# Altium PCB PCB1.PcbDoc
Units mil, origin at the board's own origin, x right, y up, seen from the top; angles counter-clockwise.
Board outline 6000 x 4000 mil, 2 copper layers (Top Layer, Bottom Layer); 67 components, 52 nets, 220 pads, 0 vias.
Unrouted connection lines stored in the file: 134.
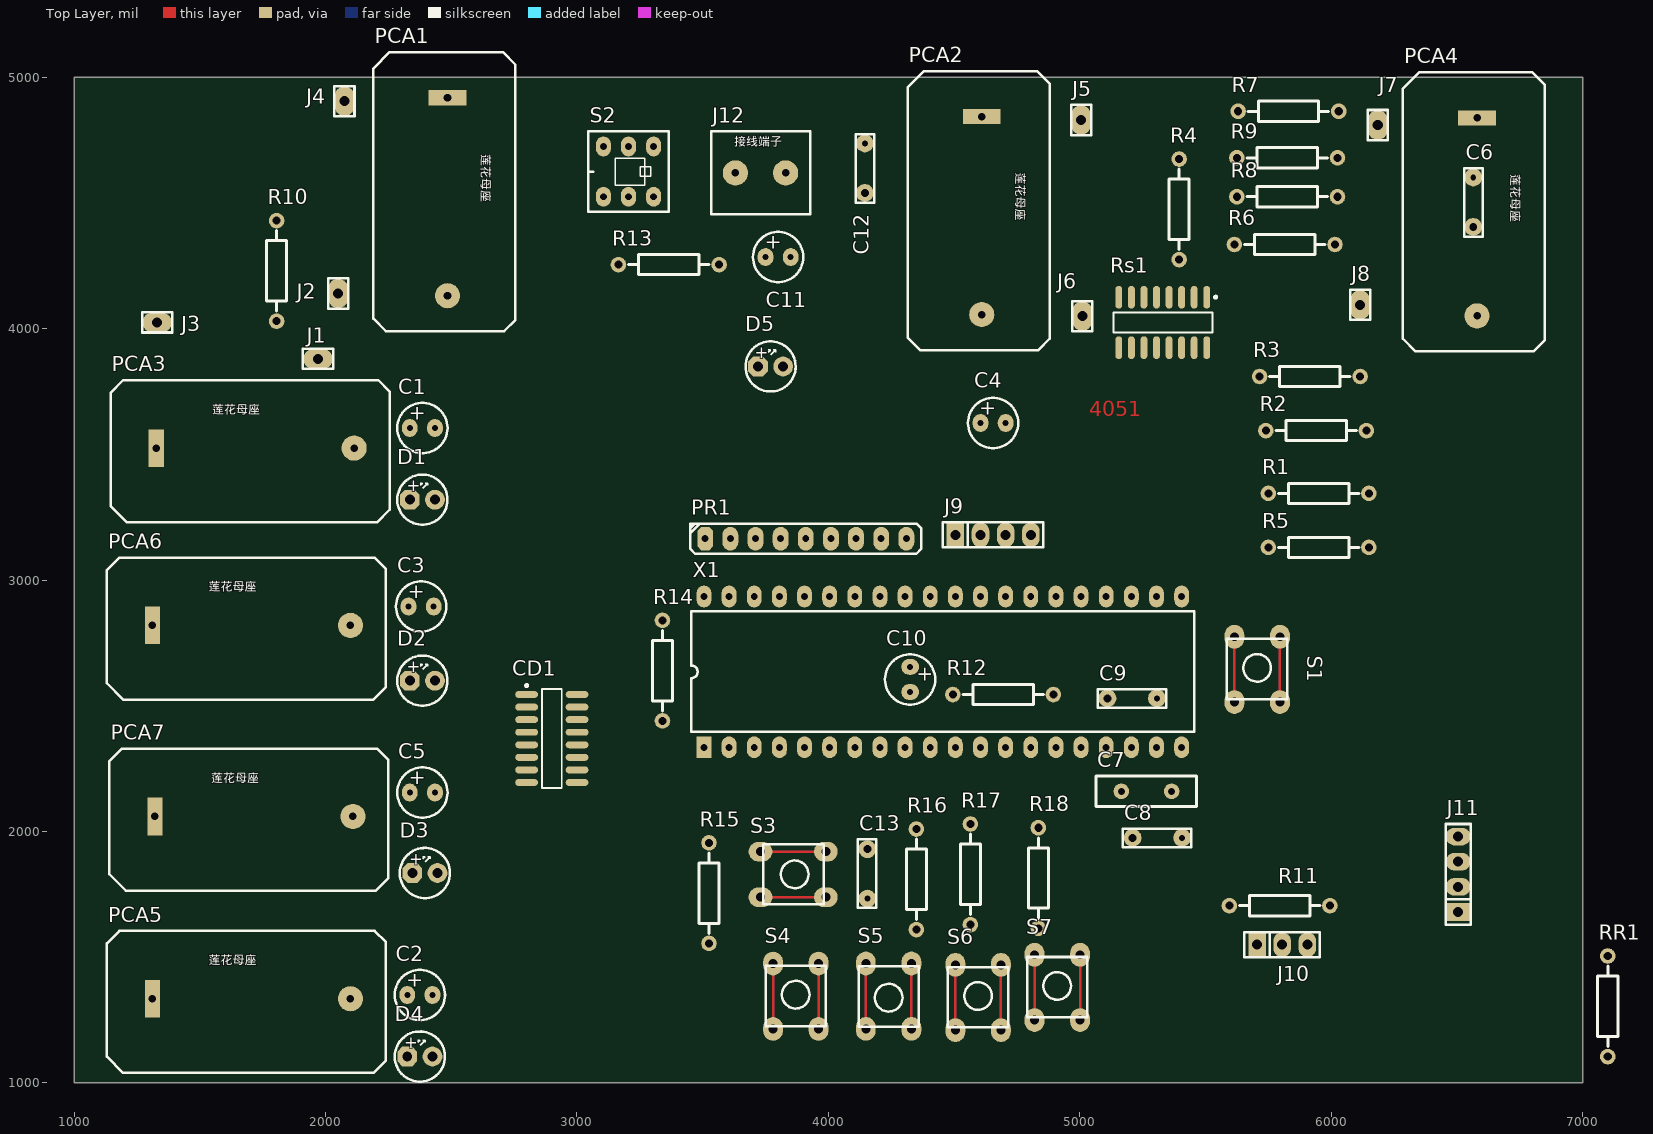
[diagram p0: Top Layer view]
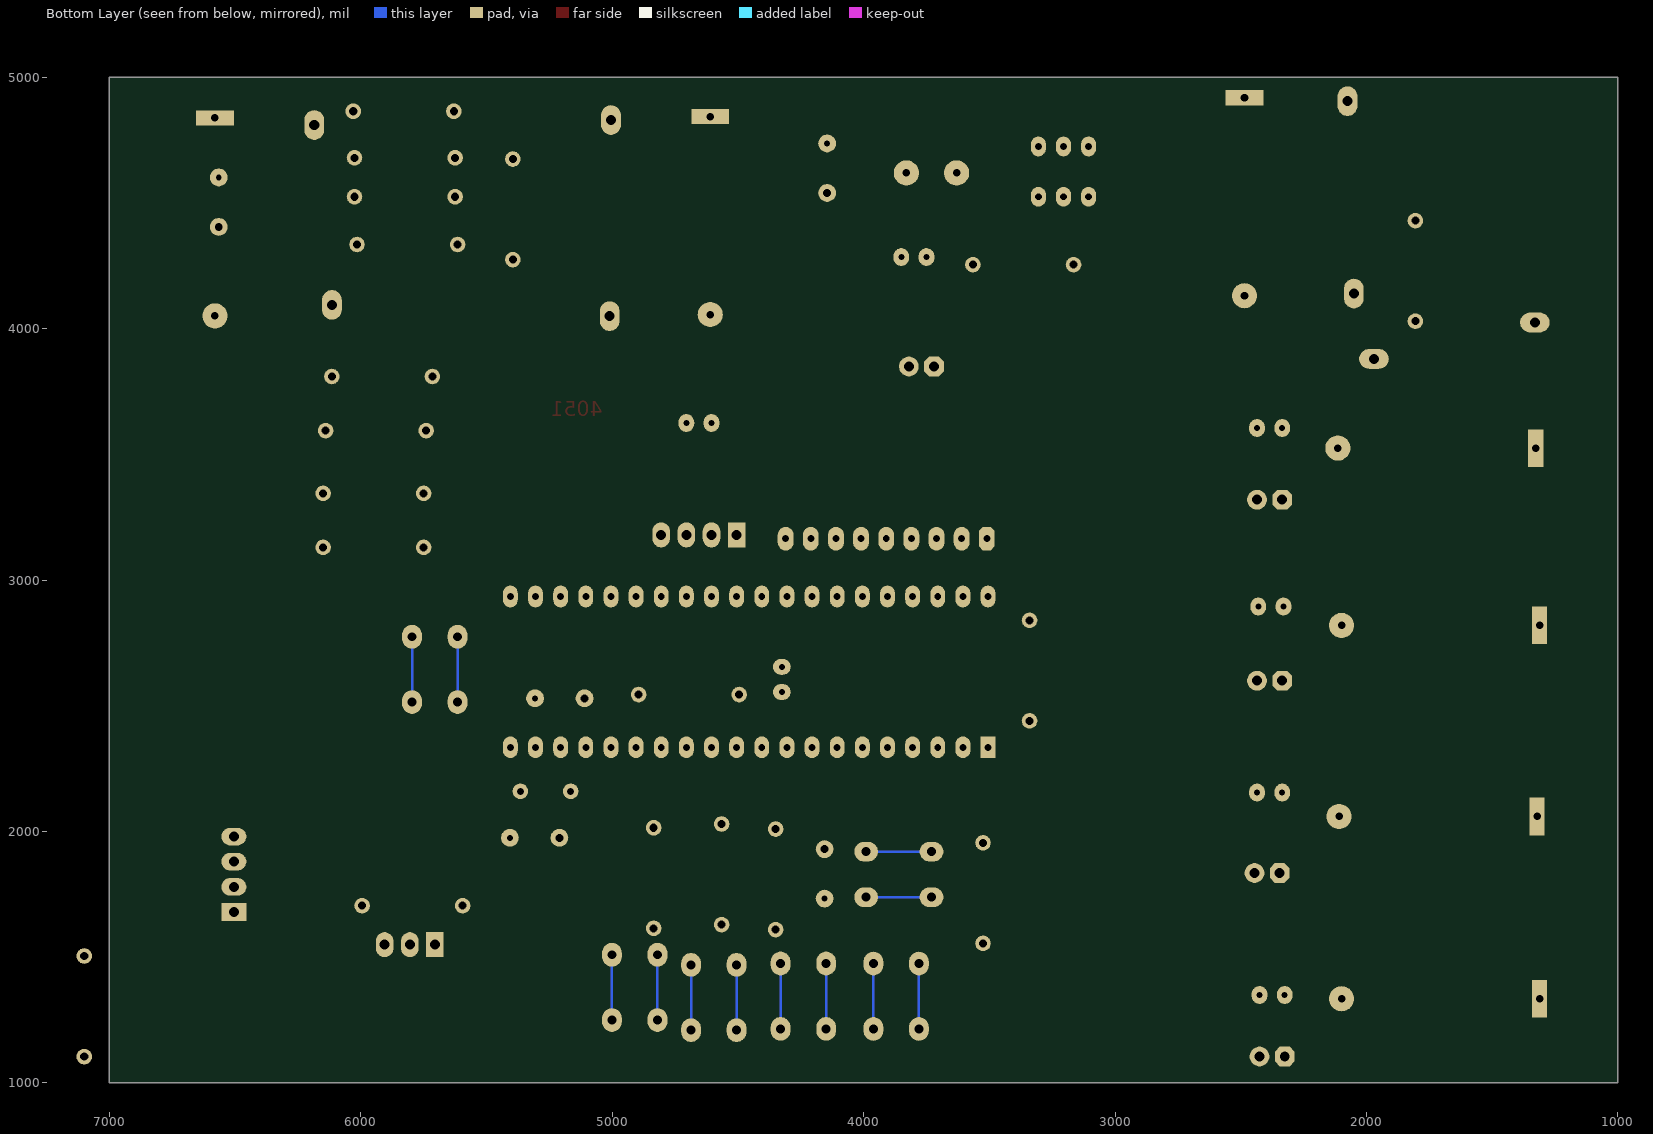
[diagram p1: Bottom Layer view, seen from below]

## Layer stack, top to bottom
Top Solder: solder mask 0.4, Solder Resist, Dk 3.5
Top Layer: signal copper 1.4
Dielectric 1: dielectric 12.6, FR-4, Dk 4.8
Bottom Layer: signal copper 1.4
Bottom Solder: solder mask 0.4, Solder Resist, Dk 3.5

## Board outline
1000,1000 7000,1000 7000,5000 1000,5000

## Design rules (kind name [scope] priority, off if disabled: settings)
Clearance [All] p1: gap=10
PolygonConnect [All] p1: connectstyle=Relief reliefconductorwidth=10 reliefentries=4 polygonreliefangle="90 Angle" airgapwidth=10
RoomDefinition Sheet1 [InComponentClass('Sheet1')] p1: confinementstyle=ConfineIn formatcopy=TRUE lockcomponents=FALSE outline 7045,1065 7220,1065 7220,1645 7045,1645
RoutingVias [All] p1: holewidth=28 width=50 viastyle="Through Hole" minholewidth=28 minwidth=50 maxholewidth=28 maxwidth=50
SolderMaskExpansion [All] p1: expansion=4
Width [All] p1: maxlimit=30 minlimit=30 preferedwidth=30
30 further rules are at their usual default settings.

## Components (designator, comment, footprint, x,y, rotation, side; value= is the part's Value field where it differs from the comment)
C1 "22UF" CAO2 2385,3605 r0 top
C2 "22UF" CAO2 2375,1350 r0 top
C3 "22UF" CAO2 2380,2895 r0 top
C4 "22UF" CAO2 4655,3625 r0 top
C5 "22UF" CAO2 2385,2155 r0 top
C6 "30PF" CAP2 6565,4405 r90 top
C7 "11.0592MHz" XTAL1 5165,2160 r90 top
C8 "30PF" CAP2 5210,1975 r0 top
C9 "30PF" CAP2 5110,2530 r0 top
C10 "10uf" CAO2 4325,2605 r270 top
C11 "10uf" CAO2 3800,4285 r0 top
C12 "104" CAP2 4145,4540 r90 top
C13 "47PF" CAP2 4155,1930 r270 top
CD1 "4052" SO-16 2900,2370 r0 top
D1 "LED_R" LED2_B 2385,3320 r0 top
D2 "LED_R" LED2_B 2385,2600 r0 top
D3 "LED_R" LED2_B 2395,1835 r0 top
D4 "LED_R" LED2_B 2375,1105 r0 top
D5 "LED" LED2_B 3770,3850 r0 top
J1 "*" SIP-1 1970,3880 r90 top
J2 "CON1" SIP-1 2050,4140 r0 top
J3 "CON1" SIP-1 1330,4025 r270 top
J4 "CON1" SIP-1 2075,4905 r0 top
J5 "CON1" SIP-1 5005,4830 r0 top
J6 "CON1" SIP-1 5010,4050 r0 top
J7 "CON1" SIP-1 6185,4810 r0 top
J8 "CON1" SIP-1 6115,4095 r0 top
J9 "OLED0.96" sip-4 4505,3180 r0 top
J10 "CON3" sip-3 5705,1550 r0 top
J11 "CON4" sip-4 6505,1680 r90 top
J12 "电源" 接线端子 3730,4620 r0 top
PCA1 "莲花插座" 莲花母座 2485,4525 r270 top
PCA2 "莲花插座" 莲花母座 4610,4450 r270 top
PCA3 "莲花插座" 莲花母座 1720,3525 r0 top
PCA4 "莲花插座" 莲花母座 6580,4445 r270 top
PCA5 "莲花插座" 莲花母座 1705,1335 r0 top
PCA6 "莲花插座" 莲花母座 1705,2820 r0 top
PCA7 "莲花插座" 莲花母座 1715,2060 r0 top
PR1 "10K" RP1 3510,3165 r0 top
R1 "51" AXIAL0.4 6150,3345 r180 top
R2 "220" AXIAL0.4 6140,3595 r180 top
R3 "680" AXIAL0.4 6115,3810 r180 top
R4 "3.3K" AXIAL0.4 5395,4675 r270 top
R5 "1K" AXIAL0.4 6150,3130 r180 top
R6 "3.3K" AXIAL0.4 6015,4335 r180 top
R7 "6.8K" AXIAL0.4 6030,4865 r180 top
R8 "15K" AXIAL0.4 6025,4525 r180 top
R9 "27K" AXIAL0.4 6025,4680 r180 top
R10 "3.3K" AXIAL0.4 1805,4430 r270 top
R11 "1K" AXIAL0.4 5595,1705 r0 top
R12 "10K" AXIAL0.4 4895,2545 r180 top
R13 "1K" AXIAL0.4 3565,4255 r180 top
R14 "10K" AXIAL0.4 3340,2440 r90 top
R15 "520" AXIAL0.4 3525,1555 r90 top
R16 "1.8K" AXIAL0.4 4350,1610 r90 top
R17 "3.3K" AXIAL0.4 4565,1630 r90 top
R18 "5.4K" AXIAL0.4 4835,1615 r90 top
RR1 "200" AXIAL0.4 7100,1105 r90 top
Rs1 "4051" SO-16 5330,4025 r270 top
S1 "SW-PB" SW6*6#1 5615,2515 r90 top
S2 "SW-DPDT" SWH8*8 3105,4725 r0 top
S3 "SW-PB" SW6*6#2 3730,1920 r0 top
S4 "SW-PB" SW6*6#3 3780,1215 r90 top
S5 "SW-PB" SW6*6#4 4330,1475 r270 top
S6 "SW-PB" SW6*6#5 4505,1210 r90 top
S7 "SW-PB" SW6*6#2 4820,1250 r90 top
X1 "STC89C52RC-DIP40" DIP-40 3505,2335 r90 top

## Footprints (in the part's own frame and the unit in brackets; to place one, negate y for a bottom-side part, rotate by r counter-clockwise, add the part's x,y. Pads: shape width x height; smd on the part's side, far side on the other; paste and mask are expansions set on the pad)
AXIAL0.4 [mil]
  round 62 hole 32: 1(0,0) 2(400,0)
  silkscreen extent 40,-40 360,40
CAO2 [mm]
  oval 1.6x1.8 hole 0.6: 1(-1.27,0) 2(1.27,0)
  silkscreen extent -2.54,-2.54 2.54,2.54
CAP2 [mm]
  round 1.8 hole 0.8: 1(0,0)
  round 1.8 hole 0.6: 2(5,0)
  silkscreen extent -0.98,-0.95 5.93,0.9
DIP-40 [mm]
  rect 2.2x1.5 hole 0.7: 1(0,0)
  oval 2.2x1.5 hole 0.7: 2(0,-2.54) 3(0,-5.08) 4(0,-7.62) 5(0,-10.16) 6(0,-12.7) 7(0,-15.24) 8(0,-17.78) 9(0,-20.32) 10(0,-22.86) 11(0,-25.4) 12(0,-27.94) 13(0,-30.48) 14(0,-33.02) 15(0,-35.56) 16(0,-38.1) 17(0,-40.64) 18(0,-43.18) 19(0,-45.72) 20(0,-48.26) 21(15.24,-48.26) 22(15.24,-45.72) 23(15.24,-43.18) 24(15.24,-40.64) 25(15.24,-38.1) 26(15.24,-35.56) 27(15.24,-33.02) 28(15.24,-30.48) 29(15.24,-27.94) 30(15.24,-25.4) 31(15.24,-22.86) 32(15.24,-20.32) 33(15.24,-17.78) 34(15.24,-15.24) 35(15.24,-12.7) 36(15.24,-10.16) 37(15.24,-7.62) 38(15.24,-5.08) 39(15.24,-2.54) 40(15.24,0)
  silkscreen extent 1.55,-49.53 13.74,1.27
LED2_B [mm] "5mm"
  oct 2x2 hole 1: 1(-1.27,0)
  round 2 hole 1: 2(1.27,0)
  silkscreen extent -2.53,-2.53 2.53,2.53, body extent -2.8,-2.91 2.55,2.79, height 8.85
RP1 [mm]
  oct 1.6x2.4 hole 0.7: 1(0,0)
  oval 1.6x2.4 hole 0.7: 2(2.54,0) 3(5.08,0) 4(7.62,0) 5(10.16,0) 6(12.7,0) 7(15.24,0) 8(17.78,0) 9(20.32,0)
  silkscreen extent -1.52,-1.52 21.84,1.52
SIP-1 [mm]
  oval 2x3 hole 1.016: 1(0,0)
  silkscreen extent -1.02,-1.52 1.02,1.52
sip-3 [mil]
  rect 70x100 hole 40: 1(0,0)
  oval 70x100 hole 40: 2(100,0) 3(200,0)
  silkscreen extent -50,-50 250,50
sip-4 [mil]
  rect 70x100 hole 40: 1(0,0)
  oval 70x100 hole 40: 2(100,0) 3(200,0) 4(300,0)
  silkscreen extent -50,-50 350,50
SO-16 [mm] "SOIC, 16-Leads, Body 9.9x3.9mm, Pitch 1.27mm, IPC Low Density"
  oval 2.3x0.7 smd: 1(-2.55,4.445) 2(-2.55,3.175) 3(-2.55,1.905) 4(-2.55,0.635) 5(-2.55,-0.635) 6(-2.55,-1.905) 7(-2.55,-3.175) 8(-2.55,-4.445) 9(2.55,-4.445) 10(2.55,-3.175) 11(2.55,-1.905) 12(2.55,-0.635) 13(2.55,0.635) 14(2.55,1.905) 15(2.55,3.175) 16(2.55,4.445)
  silkscreen extent -2.67,-5 1,5.47, body extent -2,-5 2,5, height 1.73
SW6*6#1 [mm]
  oval 2.4x2 hole 0.9: 1(0,0) 1(6.6,0) 2(0,-4.6) 2(6.6,-4.6)
  Multi-Layer lines w0.254: 0,0 1.016,0 5.105,0 6.6,0 ; 0,-4.6 6.6,-4.6
  silkscreen extent 0.28,-5.34 6.38,0.76
SW6*6#2 [mm]
  oval 2.4x2 hole 0.9: 1(0,0) 1(6.6,0) 2(0,-4.6) 2(6.6,-4.6)
  Multi-Layer lines w0.254: 0,-4.6 6.6,-4.6 ; 0,0 6.6,0
  silkscreen extent 0.28,-5.34 6.38,0.76
SW6*6#3 [mm]
  oval 2.4x2 hole 0.9: 1(0,0) 1(6.6,0) 2(0,-4.6) 2(6.6,-4.6)
  Multi-Layer lines w0.254: 0,0 4.699,0 4.953,0 5.004,0 6.6,0 ; 0,-4.6 6.6,-4.6
  silkscreen extent 0.28,-5.34 6.38,0.76
SW6*6#4 [mm]
  oval 2.4x2 hole 0.9: 1(0,0) 1(6.6,0) 2(0,-4.6) 2(6.6,-4.6)
  Multi-Layer lines w0.254: 6.6,-4.6 0,-4.6 ; 6.6,0 5.791,0 0,0
  silkscreen extent 0.28,-5.34 6.38,0.76
SW6*6#5 [mm]
  oval 2.4x2 hole 0.9: 1(0,0) 1(6.6,0) 2(0,-4.6) 2(6.6,-4.6)
  Multi-Layer lines w0.254: 0,0 6.6,0 ; 0,-4.6 4.826,-4.6 5.103,-4.6 6.6,-4.6
  silkscreen extent 0.28,-5.34 6.38,0.76
SWH8*8 [mm]
  oval 1.524x2 hole 0.7: 1(0,0) 2(2.54,0) 3(5.08,0) 4(5.08,-5.08) 5(2.54,-5.08) 6(0,-5.08)
  silkscreen extent -1.52,-6.6 6.6,1.52
XTAL1 [mil]
  round 62 hole 28: 1(0,0) 2(0,-200)
  silkscreen extent -60,-300 60,100
接线端子 [mil]
  round 100 hole 30: 1(-100,0) 2(100,0)
  silkscreen extent -197,-165 197,165
莲花母座 [mil] "莲花插座"
  round 100 hole 30: 1(393.7,0)
  rect 60x150 hole 30: 2(-393.7,0)
  silkscreen extent -575,-295 535,270

## Part data
C1 C2 C3 C4 C5 C10 C11: library part CAP3
C6 C8 C9 C12 C13: library part CAP1
C7: library part CPY
J1: library part CON1, "Connector"
J2 J3 J4 J5 J6 J7 J8 J10 J11: "Connector"
J9: library part CON4, "Connector"
J12: library part CON2, "Connector"
PCA1 PCA2 PCA3 PCA4 PCA5 PCA6 PCA7: library part PCA
PR1: library part PRES1
R1 R2 R3 R4 R5 R6 R7 R8 R9 R10 R11 R12 R13 R14 R15 R16 R17 R18 RR1: library part RES, "电阻"

## Nets (pads, with @x,y where several pads share a name; then routed paths per layer and width w, separated by ;. In a path a pad name is that pad's centre, name@x,y a point inside that pad or via, vN(x,y) a via of type N, cw(c..) or ccw(c..) an arc to the next point about the centre after c; other vN are vias at no path point)
GND: C6.2 C8.2 C9.2 C11.2 C12.2 C13.2 CD1.6 CD1.7 CD1.8 D5.2 J3.1 J4.1 J5.1 J7.1 J9.1 J10.2 J11.2 J12.2 PCA1.2 PCA2.2 PCA3.2 PCA4.2 PCA5.2 PCA6.2 PCA7.2 R4.1 R12.1 Rs1.6 Rs1.7 Rs1.8 S3.2 S4.2 S5.2 S6.2 S7.2 X1.20
KEY: C13.1 R14.1 R15.2 R16.2 R17.2 R18.2 S3.1 X1.8
NetC1_1: C1.1 PCA3.1
NetC1_2: C1.2 CD1.1 J1.1
NetC2_1: C2.1 PCA5.1
NetC2_2: C2.2 CD1.5
NetC3_1: C3.1 PCA6.1
NetC3_2: C3.2 CD1.2
NetC4_1: C4.1 J6.1 PCA2.1
NetC4_2: C4.2 R1.1 R2.1 R3.1 R5.1 R6.1 R7.1 R8.1 R9.1
NetC5_1: C5.1 PCA7.1
NetC5_2: C5.2 CD1.4
NetC6_1: C6.1 J8.1 PCA4.1 R4.2 Rs1.3
NetC7_1: C7.1 C8.1 X1.18
NetC7_2: C7.2 C9.1 X1.19
NetC10_2: C10.2 R12.2 S1.1 X1.9
NetCD1_16: CD1.16 RR1.2
NetD1_1: D1.1 D2.1 D3.1 D4.1 R10.2
NetD5_1: D5.1 R13.1
NetJ12_1: J12.1 S2.3 S2.4
NetPR1_6: PR1.6 X1.35
NetPR1_7: PR1.7 X1.34
NetPR1_8: PR1.8 X1.33
NetPR1_9: PR1.9 X1.32
NetR1_2: R1.2 Rs1.13
NetR2_2: R2.2 Rs1.14
NetR3_2: R3.2 Rs1.15
NetR5_2: R5.2 Rs1.12
NetR6_2: R6.2 Rs1.1
NetR7_2: R7.2 Rs1.5
NetR8_2: R8.2 Rs1.2
NetR9_2: R9.2 Rs1.4
NetR15_1: R15.1 S4.1
NetR16_1: R16.1 S5.1
NetR17_1: R17.1 S6.1
NetR18_1: R18.1 S7.1
OUT1: CD1.3 J2.1 PCA1.1 X1.1
P00: D1.2 PR1.2 X1.39
P01: D2.2 PR1.3 X1.38
P02: D3.2 PR1.4 X1.37
P03: D4.2 PR1.5 X1.36
P12: CD1.10 X1.3
P13: CD1.9 X1.4
P20: Rs1.11 X1.21
P21: Rs1.10 X1.22
P23: Rs1.9 X1.23
P32: J10.1 R11.1 X1.12
RXD: J11.3 X1.10
SCL: J9.3 X1.26
SDL: J9.4 X1.25
TXD: J11.4 X1.11
VCC: C10.1 C11.1 C12.1 J9.2 J10.3 J11.1 PR1.1 R10.1 R11.2 R13.2 R14.2 RR1.1 Rs1.16 S1.2 S2.2 S2.5 X1.40
pads on no net: CD1.11 CD1.12 CD1.13 CD1.14 CD1.15 S2.1 S2.6 X1.2 X1.5 X1.6 X1.7 X1.13 X1.14 X1.15 X1.16 X1.17 X1.24 X1.27 X1.28 X1.29 X1.30 X1.31

## Text inside footprints (layer, text, board x,y; h text height)
C1: Top Overlay "+" at 2330.87,3638.47 h60
C2: Top Overlay "+" at 2320.87,1383.46 h60
C3: Top Overlay "+" at 2325.87,2928.47 h60
C4: Top Overlay "+" at 4600.87,3658.47 h60
C5: Top Overlay "+" at 2330.87,2188.47 h60
C10: Top Overlay "+" at 4358.47,2659.13 h60 r270
C11: Top Overlay "+" at 3745.87,4318.47 h60
D1: Top Overlay "+" at 2323,3353 h47.24
D2: Top Overlay "+" at 2323,2633 h47.24
D3: Top Overlay "+" at 2333,1868 h47.24
D4: Top Overlay "+" at 2313,1138 h47.24
D5: Top Overlay "+" at 3708,3883 h47.24
J12: Top Overlay "接线端子" at 3625,4715 h60
PCA1: Top Overlay "莲花母座" at 2610,4695 h60 r270
PCA2: Top Overlay "莲花母座" at 4735,4620 h60 r270
PCA3: Top Overlay "莲花母座" at 1550,3650 h60
PCA4: Top Overlay "莲花母座" at 6705,4615 h60 r270
PCA5: Top Overlay "莲花母座" at 1535,1460 h60
PCA6: Top Overlay "莲花母座" at 1535,2945 h60
PCA7: Top Overlay "莲花母座" at 1545,2185 h60